# Altium PCB PCB.PcbDoc (part 3 of 4)
Units mil, origin at the board's own origin, x right, y up, seen from the top; angles counter-clockwise.
Board outline 3543.31 x 3543.31 mil, 6 copper layers (Component Side, Top GND, Dummy Layer, Fast Signals, Bottom GND, Solder Side), stack 58.819 mil thick; 209 components, 240 nets, 1195 pads, 663 vias.
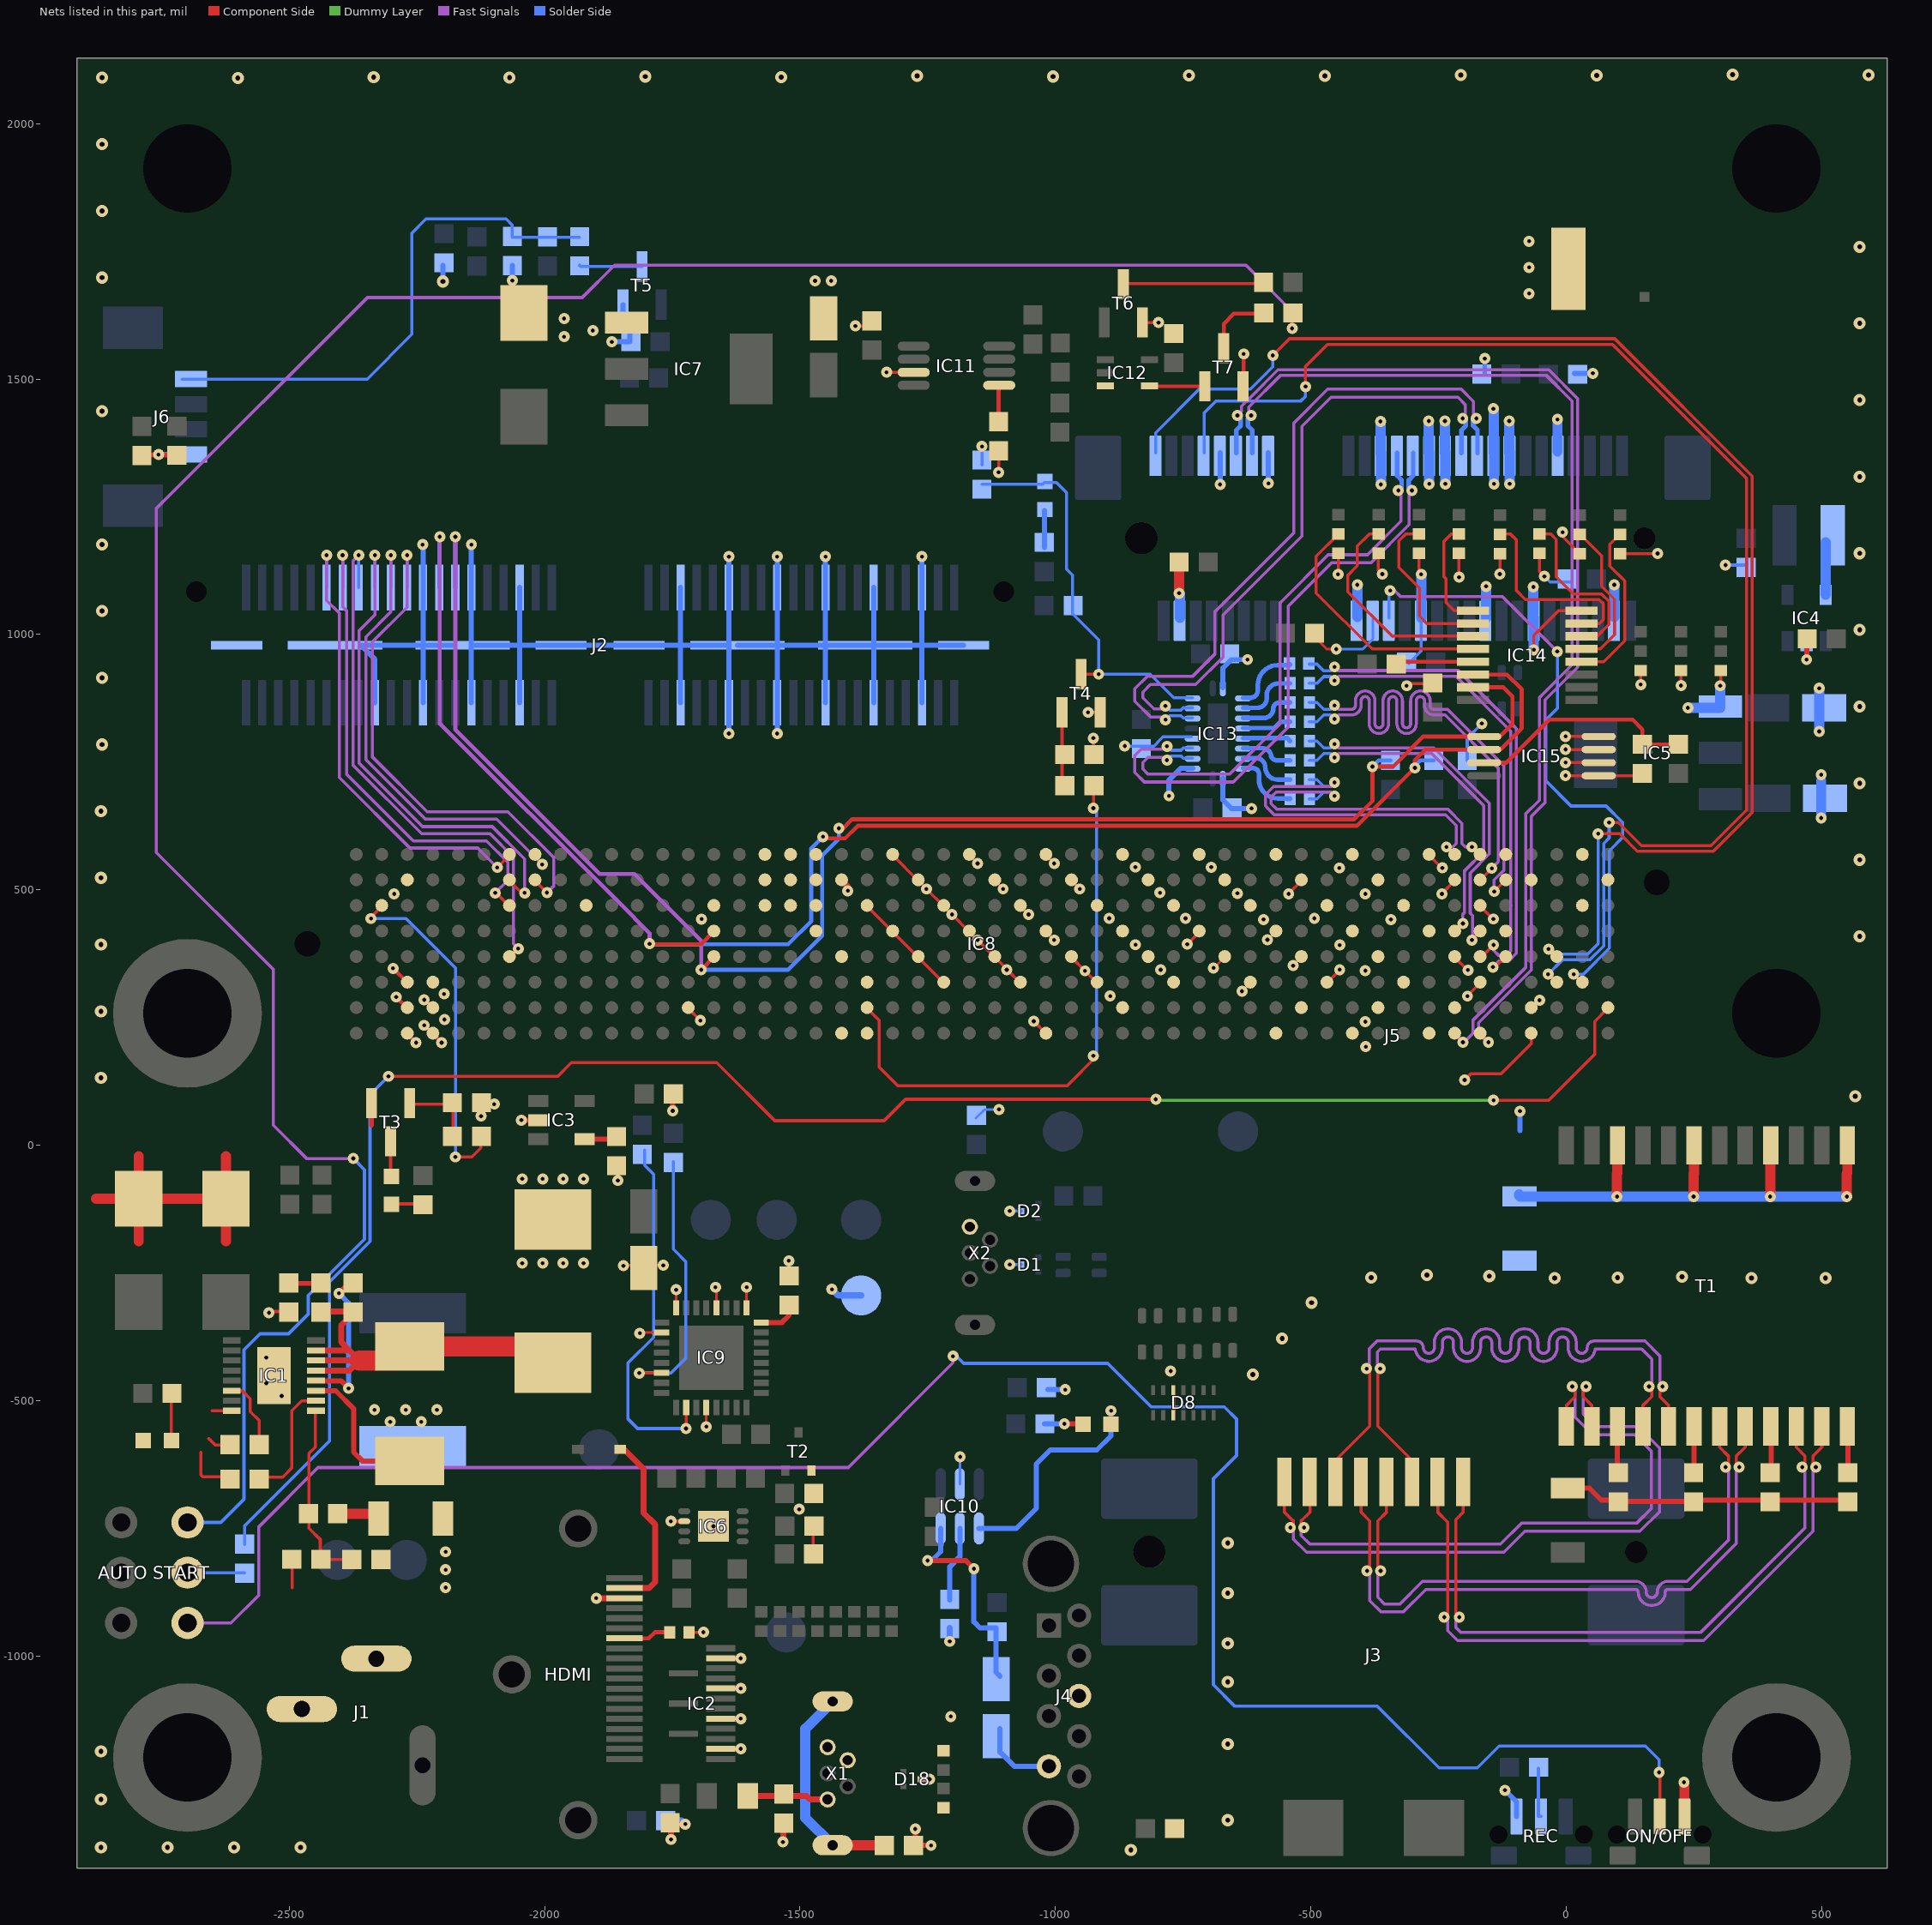
[diagram p7: the nets of this part, all layers, seen from the top]

## Via types
v1: diameter 21.65, hole 7.87, Component Side to Solder Side, tented both sides, 463 vias
v2: diameter 23.62, hole 9.84, Component Side to Solder Side, tented both sides, 102 vias
v3: diameter 21.65, hole 7.87, Component Side to Solder Side, 96 vias
v4: diameter 19.68, hole 7.87, Component Side to Solder Side, 1 vias
v5: diameter 23.62, hole 9.84, Component Side to Solder Side, 1 vias

## Nets (pads, with @x,y where several pads share a name; then routed paths per layer and width w, separated by ;. In a path a pad name is that pad's centre, name@x,y a point inside that pad or via, vN(x,y) a via of type N, cw(c..) or ccw(c..) an arc to the next point about the centre after c; other vN are vias at no path point) (continued)
GND: 5V.K C3.1 C4.2 C5.2 C6.1 C7.1 C8.2 C9.2 C10.2 C11.1 C12.1 C13.1 C14.2 C15.2 C16.1 C17.2 C18.2 C26.1 C27.1 C28.1 C29.1 C30.1 C31.1 C32.2 C33.2 C34.1 C35.2 C36.2 C37.2 C38.2 C39.2 C40.2 C41.1 C42.1 C43.1 C44.1 C45.1 C46.1 C47.1 C48.1 C51.2 C52.1 C61.1 D1.3 D2.3 D3.A D4.A D8.5 D8.10 D18.3 HDMI.17 IC1.16 IC1.GND IC2.2 IC2.5 IC2.8 IC2.11 IC3.2 IC4.2 IC5.1 IC6.2 IC6.9 IC7.1 IC8.A3 IC8.A4 IC8.A28 IC8.A37 IC8.A40 IC8.A43 IC8.B3 IC8.B4 IC8.B14 IC8.B31 IC8.B38 IC8.B41 IC8.B44 IC8.B47 IC8.C3 IC8.C4 IC8.C21 IC8.C24 IC8.C27 IC8.C30 IC8.C33 IC8.C36 IC8.C39 IC8.C42 IC8.C45 IC8.D20 IC8.D23 IC8.D26 IC8.D29 IC8.D32 IC8.D35 IC8.D38 IC8.D41 IC8.D44 IC8.E19 IC8.E22 IC8.E25 IC8.E28 IC8.E31 IC8.E34 IC8.E37 IC8.E40 IC8.E43 IC8.E46 IC8.F10 IC8.F15 IC8.F21 IC8.F24 IC8.F27 IC8.F30 IC8.F33 IC8.F36 IC8.F39 IC8.F42 IC8.F45 IC8.F49 IC8.G3 IC8.G17 IC8.G20 IC8.G23 IC8.G26 IC8.G29 IC8.G32 IC8.G35 IC8.G38 IC8.G41 IC8.G44 IC8.G47 IC8.G50 IC8.H19 IC8.H22 IC8.H25 IC8.H28 IC8.H31 IC8.H34 IC8.H37 IC8.H40 IC8.H43 IC8.H46 IC8.H49 IC9.4 IC9.17 IC9.20 IC9.24 IC9.26 IC10.2 IC11.3 IC12.3 IC13.2 IC13.5 IC13.11 IC13.20 IC14.8 IC15.1 IC15.2 IC15.3 IC15.4 J1.2 J1.3 J2.5 J2.6 J2.11 J2.12 J2.17 J2.18 J2.23 J2.24 J2.29 J2.30 J2.35 J2.36 J2.45 J2.46 J2.51 J2.52 J2.57 J2.58 J2.63 J2.81 J2.82 J2.83 J2.84 J2.85 J2.86 J2.87 J2.88 J4.4 J4.7 J5.4 J5.9 J5.15 J5.18 J5.21 J5.26 J5.27 J5.29 J5.34 J5.35 J5.37 J5.40 J5.43 J5.50 J6.1 L2.1 L4.1 L7.1 L12.1 ON/OFF.1 R7.1 R8.1 R12.1 R22.1 R23.1 R25.1 R27.1 R32.1 R36.1 R52.2 R53.2 R54.1 R58.2 R59.2 R60.1 R64.2 R65.2 R66.1 R69.2 R70.2 R72.1 REC.1 T2.2 T3.2 T4.2 T5.2 T6.2 T7.2 TP14.1 X1.4 X1.5 X2.5 | length 11912
  Component Side w5: v1(-1845.55,-235.84) -1844.55,-234.84 C9.2@-1805.55,-234.84 ; v1(-1813.55,-367.84) -1812.34,-366.63 IC9.26@-1770.99,-366.63 ; C9.2@-1805.55,-233.07 C9.2@-1805.55,-234.84 ; v1(-1767.55,-234.84) C9.2@-1805.55,-234.84 ; v1(-1742.55,-282.84) -1742.55,-318.3 IC9.24@-1742.45,-318.4 ; v1(-1683.55,-550.84) -1683.55,-513.44 IC9.4@-1683.39,-513.28 ; IC8.F15@-1668.66,467.91 IC8.F15@-1667.78,468.8 ; v1(-1665.55,-277.84) -1663.71,-279.69 IC9.20@-1663.71,-318.4 ; IC9.17@-1604.65,-318.4 -1604.65,-277.95 v1(-1604.55,-277.84) ; C16.1@-1521.41,-265.27 C16.1@-1521.41,-240.17 ; IC8.F21@-1369.54,468.8 IC8.F21@-1368.66,467.91 ; IC8.H22@-1319.54,568.8 IC8.H22@-1318.66,567.91 ; IC8.G23@-1268.66,517.91 v1(-1252.5,501.76) ; IC8.F24@-1218.66,467.91 v1(-1202.5,451.76) ; IC8.H25@-1169.54,568.8 v1(-1152.5,551.76) ; IC8.E25@-1168.66,417.91 v1(-1152.5,401.76) ; IC8.G26@-1119.54,518.8 v1(-1102.5,501.76) ; IC8.C27@-1069.54,318.8 IC8.C27@-1068.66,317.91 ; IC8.F27@-1069.54,468.8 v1(-1052.5,451.76) ; v1@-684.82,351.76 IC8.D35@-667.78,368.8 ; v1(-634.82,301.76) IC8.C36@-617.78,318.8 ; v1(-585.21,402.15) -569.06,418.31 IC8.E37@-568.17,419.19 ; IC8.A37@-568.66,217.91 IC8.A37@-567.78,218.8 ; v1(-534.82,351.76) IC8.D38@-517.78,368.8 ; IC8.B38@-518.66,267.91 IC8.B38@-517.78,268.8 ; IC8.F39@-469.54,468.8 IC8.F39@-468.66,467.91 ; IC8.A40@-419.54,218.8 IC8.A40@-418.66,217.91 ; IC8.H40@-419.54,568.8 IC8.H40@-418.66,567.91 ; IC8.G41@-368.66,517.91 IC8.G41@-367.78,518.8 ; IC8.C45@-168.66,317.91 IC8.C45@-167.78,318.8 ; IC8.E46@-118.66,417.91 IC8.E46@-117.78,417.03 ; IC8.B47@-69.54,267.03 IC8.B47@-68.66,267.91
  Component Side w5.91: IC8.H22@-1318.66,567.91 IC8.G23@-1268.66,517.91 ; v1(-1252.5,501.76) IC8.F24@-1218.66,467.91 ; v1(-1202.5,451.76) IC8.E25@-1168.66,417.91 ; v1(-1152.5,401.76) v1@-1094.42,343.68
  Component Side w6: -2672.99,-601.42 -2672.99,-645.12 -2669.06,-649.05 -2625.44,-649.05 C6.1@-2613.78,-660.71 ; -2657.69,-573.87 -2645.13,-586.44 -2625.66,-586.44 R7.1@-2614.51,-597.58 ; -2650.71,-519.69 IC1.16@-2612.22,-519.69 ; v1(-2539.55,-327.84) -2542.05,-325.34 C7.1@-2500.66,-325.34 ; -2494.04,-866.38 R8.1@-2494.04,-810.41 ; v1(-2124.21,57.09) -2124.21,80.71 v1(-2098.61,80.71) ; IC8.B14@-1718.86,268.11 v1(-1695.08,244.33) ; R25.1@-1717.32,-953.15 v3(-1688.98,-953.15) ; C27.1@-1474.6,-800 -1474.6,-740.89 -1474.55,-740.84 C26.1@-1474.55,-739.59 ; R22.1@-1474.19,-685.02 R22.1@-1474.19,-681.4 ; v1(-1391.53,1603.9) C41.1@-1359.24,1603.9 ; IC8.F21@-1368.66,467.91 IC8.C24@-1218.66,317.91 ; v1(-1330.7,1513.16) IC11.3@-1277.55,1513.16 ; v1(-1111.21,1317.29) C42.1@-1111.21,1360.66 ; v1@-1094.42,343.68 IC8.C27@-1069.54,318.8 ; v1(-1042.52,242.87) IC8.A28@-1018.74,219.09 ; IC8.E28@-1018.66,417.91 v1(-1002.5,401.76) ; IC8.H28@-1018.66,567.91 v1(-1002.5,551.76) ; IC8.D29@-968.66,367.91 v1(-942.28,341.54) IC8.C30@-918.66,317.91 ; IC8.G29@-968.66,517.91 v1(-952.5,501.76) ; v1(-936.18,847.47) T4.2@-912.38,847.47 ; R32.1@-925.78,764.87 v3(-925.78,797.04) ; T6.2@-829.72,1610.6 v1(-798.22,1610.6) ; v1(-742.09,393.7) IC8.E34@-718.31,417.48 ; v1(-543.54,491.95) -543.54,493.03 IC8.G38@-518.66,517.91 ; IC8.C39@-468.66,317.91 v1@-443.78,342.8 ; v3(-446.85,1117.71) -446.46,1118.11 R70.2@-446.46,1158.66 ; R65.2@-367.32,1158.66 -368.5,1157.48 -368.5,1126.38 v3(-360.24,1118.11) ; v3(-312.67,899.56) -308.29,903.94 -260.63,903.94 C28.1@-255.12,909.45 ; R59.2@-288.58,1158.66 -288.58,1122.24 v1(-284.06,1117.72) ; IC8.H43@-268.66,567.91 v1@-243.78,543.03 ; v1@-243.54,493.03 IC8.G44@-218.66,517.91 ; IC8.D44@-218.66,367.91 v1@-193.78,343.03 ; R53.2@-210.24,1158.66 -210.24,1112.42 v3(-209.93,1112.11) ; v1@-193.54,293.03 IC8.C45@-168.66,317.91 ; IC8.F45@-168.66,467.91 v1@-143.78,443.03 ; v3(-130.31,1118.11) v3@-130.21,1118.21 ; v3@-129.92,1118.5 R69.2@-129.92,1158.27 ; IC8.B47@-68.66,267.91 v1(-52.5,284.07) ; v1(-63.78,969.88) -63.78,998.03 -15.26,1046.56 IC14.8@29.92,1046.56 ; -52.45,1123.32 v3(-42.91,1113.78) ; -52.36,1123.41 R64.2@-52.36,1158.66 ; v3(-7.53,1200.12) -7.53,1191.78 R58.2@25.98,1158.27 ; v3(-1.57,723.62) -1.38,723.43 IC15.1@63.39,723.43 144.48,723.43 R72.1@148.82,727.76 ; v3(-1.57,749.21) -1.38,749.02 IC15.2@63.39,749.02 ; v3(-1.57,774.8) -1.38,774.61 IC15.3@63.39,774.61 ; v3(-1.57,800.39) -1.38,800.2 IC15.4@63.39,800.2 ; R52.2@104.72,1158.27 178.35,1158.27 v3(178.54,1158.46) ; v3(145.67,901.97) R66.1@145.67,929.41 ; v3(224.41,900) R60.1@224.41,929.41 ; v1@302.16,900.79 R54.1@302.16,929.41
  Component Side w7.87: v1(-2296.55,346.31) IC8.C3@-2268.66,318.42 ; v1(-2290.55,290.31) IC8.B3@-2268.66,268.42 ; IC8.B3@-2268.66,267.91 IC8.B3@-2267.58,267.91 ; IC8.C3@-2268.66,317.91 IC8.C3@-2267.58,317.91 ; IC8.A3@-2267.58,217.91 -2268.66,217.91 v1(-2251.62,200.87) ; v1(-2235.7,234.95) IC8.A4@-2218.66,217.91 ; v1(-2235.7,284.95) -2218.66,267.91 IC8.B4@-2219.74,267.91 ; IC8.A4@-2219.74,217.91 IC8.A4@-2218.66,217.91 ; IC8.C4@-2218.66,318.11 IC8.C4@-2218.66,318.42 ; IC8.A4@-2217.58,217.91 IC8.A4@-2218.66,217.91 ; v1(-2201.62,200.87) IC8.A4@-2218.66,217.91 ; v3(-1752.71,-736) IC6.2@-1726.64,-736 ; IC2.2@-1655.13,-1181.43 v3(-1615.97,-1181.43) ; IC2.5@-1655.13,-1122.37 v3(-1615.97,-1122.37) ; IC2.8@-1655.13,-1063.32 v3(-1615.97,-1063.32) ; IC2.11@-1655.13,-1004.26 v3(-1615.97,-1004.26) ; D8.10@-769.24,-528.45 D8.5@-769.24,-479.24 ; T7.2@-633.15,1485.76 -631.55,1487.35 v1(-631.55,1549.16)
  Component Side w10: C52.1@-2788.13,1351.15 -2756.58,1351.15 v1(-2755.65,1352.08) ; v1@-2754.73,1351.15 C43.1@-2721.21,1351.15 ; -2338.78,39.37 T3.2@-2338.78,82.68 ; IC8.A3@-2268.66,217.91 IC8.A3@-2268.66,219.49 IC8.A3@-2268.66,223.43 ; v1(-2045.47,49.21) IC3.2@-2012.01,49.21 ; v1(-1856.5,-68.9) C11.1@-1856.5,-41.34 ; v1(-1749.33,67.43) C10.2@-1749.33,92.9 ; v1(-1274.36,-1338.45) -1274.36,-1370.54 v1(-1243.45,-1370.54) ; IC8.E37@-569.06,418.31 IC8.E37@-568.66,417.91 ; v1(470.28,950.79) C12.1@470.28,998.03
  Component Side w11.81: v3@-1892.94,-886.46 HDMI.17@-1843.54,-886.46 ; v3(-1752.55,-1358.84) -1752.55,-1328.84 v3(-1724.55,-1328.84) ; v3@-1532.55,-1358.84 C32.2@-1532.55,-1328.84 ; IC8.G20@-1418.66,519.49 -1406.55,507.38 v1(-1406.55,498.16) ; D18.3@-1263.82,-1240.84 v3(-1246.55,-1240.84)
  Component Side w19.68: -2877.95,-104.66 C5.2@-2794.55,-104.66 ; -2794.55,-188.06 C5.2@-2794.55,-104.66 ; -2794.55,-21.26 C5.2@-2794.55,-104.66 ; -2711.15,-104.66 C5.2@-2794.55,-104.66 ; -2706.95,-104.66 C4.2@-2623.55,-104.66 ; -2623.55,-188.06 C4.2@-2623.55,-104.66 ; -2623.55,-21.26 C4.2@-2623.55,-104.66
  Component Side w20: v1(-757.95,1080.71) C37.2@-757.95,1143.7 ; ON/OFF.1@231.1,-1298.03 v1@231.1,-1247.83
  Dummy Layer w6: v3@-446.85,1116.93 v3(-446.85,1117.71) ; v3@-365.36,1118.11 v3(-360.24,1118.11) ; v3@-318.22,905.12 v3(-312.67,899.56) ; v3(-130.31,1118.11) v3@-129.53,1118.9 ; v3@-7.6,1200.12 v3(-7.53,1200.12) ; v3@-2.36,721.65 -2.36,722.83 v3(-1.57,723.62) ; v3@-2.36,747.24 -2.36,748.42 v3(-1.57,749.21) ; v3@-2.36,772.83 -2.36,774.01 v3(-1.57,774.8) ; v3@-2.36,798.43 -2.36,799.6 v3(-1.57,800.39)
  Dummy Layer w11.81: v3(-1752.55,-1358.84) v3@-1751.55,-1359.84
  Solder Side w5: IC10.2@-1187.2,-663.39 -1187.2,-610.5 v1(-1186.55,-609.84) ; L12.1@-1155.71,53.15 -1138.7,70.16 v1(-1110.55,70.16)
  Solder Side w6: R12.1@-1143.9,1331.89 v1(-1143.9,1368.11) ; v3(-1089.62,-128.77) D2.3@-1066.82,-128.77 ; v3(-1089.37,-233.42) D1.3@-1066.82,-233.42 ; v1(-864.37,781.5) -836.81,781.5 -807.16,781.5 -800.44,788.21 -800.44,788.77 -789.46,799.75 IC13.5@-734,799.75 ; C14.2@-308.54,942.91 -284.06,967.4 J5.26@-284.06,1032.48 ; C61.1@-194.1,753.74 -194.09,796.85 v3(-165.35,825.59) ; v3(-42.91,1113.78) -31.89,1102.76 C36.2@7.4,1102.76 ; v3(311.42,1135.83) C13.1@352.17,1135.83
  Solder Side w7.87: C39.2@-159.55,1509.87 v1(-159.55,1540.16)
  Solder Side w10: v1(-2755.65,1352.08) J6.1@-2709.39,1352.08 ; J2.63@-2332.24,866.3 -2332.24,951.34 -2359.76,978.85 J2.86@-2237.76,978.85 ; v1(-2238.78,1175.87) -2237.76,1174.85 J2.58@-2237.76,1091.89 J2.86@-2237.76,978.85 ; J2.57@-2237.76,866.3 J2.86@-2237.76,978.85 ; v5(-2199.02,1690.94) C45.1@-2199.02,1722.44 ; J2.86@-2181.78,978.85 J2.86@-2237.76,978.85 ; J2.51@-2143.27,866.3 J2.86@-2143.27,978.85 ; v1(-2143.27,1175.87) J2.52@-2143.27,1091.89 J2.86@-2143.27,978.85 ; v1(-2063.19,1692.91) C44.1@-2063.19,1722.44 ; J2.45@-2048.78,866.3 -2048.78,978.85 ; J2.46@-2048.78,1091.89 -2048.78,978.85 ; v1(-1868.31,1572.83) -1832.87,1572.83 -1832.87,1600.39 -1846.65,1614.17 T5.2@-1846.65,1645.67 ; J2.84@-1814.82,978.83 J2.85@-1967.75,978.84 -2048.78,978.85 ; J2.84@-1814.82,978.83 -1733.7,978.83 ; J2.35@-1733.7,866.3 -1733.7,978.83 ; J2.36@-1733.7,1091.89 -1733.7,978.83 ; v1(-1639.21,805.83) J2.29@-1639.21,866.3 J2.83@-1639.21,978.83 ; v1(-1639.21,1152.35) J2.30@-1639.21,1091.89 J2.83@-1639.21,978.83 ; J2.83@-1622.29,978.83 J2.83@-1544.72,978.83 ; v1(-1544.72,805.83) J2.23@-1544.72,866.3 J2.83@-1544.72,978.83 ; v1(-1544.72,1152.35) J2.24@-1544.72,1091.89 J2.83@-1544.72,978.83 ; J2.17@-1450.24,866.3 J2.82@-1450.24,978.83 ; v1(-1450.24,1152.35) J2.18@-1450.24,1091.89 J2.82@-1450.24,978.83 ; J2.11@-1355.75,866.3 J2.82@-1355.75,978.83 ; J2.12@-1355.75,1091.89 J2.82@-1355.75,978.83 ; J2.5@-1261.26,866.3 -1261.26,978.83 ; v1(-1261.26,1152.35) J2.6@-1261.26,1091.89 -1261.26,978.83 ; v1@-1206.89,-1116.14 v1(-1204.92,-1118.11) ; J2.81@-1179.9,978.83 -1261.26,978.83 ; C33.2@-1108.46,-1141.54 -1108.46,-1187.8 -1080.67,-1215.59 J4.4@-1012.83,-1215.59 ; C34.1@-1014.85,-478.35 v1(-980.78,-478.35) ; v1(-777.78,683.87) -777.78,714.87 -754.46,738.19 IC13.2@-731.5,738.19 ; v1(-677.76,1293.7) J5.9@-677.76,1355.31 ; IC13.20@-672.44,718.5 -672.44,676.18 -655.71,659.45 v1(-616.34,659.45) ; IC13.11@-672.44,895.67 -672.44,934.06 -655.71,950.79 v1(-624.21,950.79) ; v1(-583.27,1295.87) J5.15@-583.27,1355.31 ; v1(-120.28,-1262.6) -97.64,-1285.24 REC.1@-97.64,-1313.78 ; -90.75,28.54 v1(-90.75,66.93) ; C38.2@15.45,1511.16 20.45,1511.16 v1@50.45,1511.16 ; v1(470.28,950.79) IC4.2@470.28,987.2 ; J2.86@-2143.27,978.85 -2048.78,978.85 ; -1733.7,978.83 J2.83@-1639.21,978.83 ; J2.83@-1544.72,978.83 J2.82@-1450.24,978.83 ; J2.82@-1450.24,978.83 J2.82@-1372.49,978.83 J2.82@-1355.75,978.83 ; J2.82@-1355.75,978.83 -1261.26,978.83
  Solder Side w11.81: L2.1@-1756.46,-1321.84 -1731.55,-1321.84 v3(-1724.55,-1328.84) ; v1(-1437.55,-281.84) -1425.55,-293.84 TP14.1@-1380.55,-293.84 TP14.1@-1379.55,-293.84 ; v3(-1206.89,-971.18) R27.1@-1206.89,-944.84
  Solder Side w20: v1(-757.95,1080.71) -756.5,1079.25 J5.4@-756.5,1032.48 ; J5.18@-409.06,1034.45 v1(-409.06,1097.05) ; J5.21@-363.78,1354.33 v1(-363.78,1416.93) ; v1(-362.99,1293.7) J5.21@-362.99,1356.3 ; J5.26@-284.06,1032.48 v1(-284.06,1117.72) ; J5.27@-269.29,1355.31 v1(-269.29,1417.91) ; v1(-268.5,1294.68) J5.27@-268.5,1357.28 ; J5.29@-237.8,1355.31 v1(-237.8,1417.91) ; v1(-237.01,1294.68) J5.29@-237.01,1357.28 ; J5.34@-157.09,1031.5 v1(-157.09,1094.09) ; v1(-142.78,1441.87) -142.32,1441.42 J5.35@-142.32,1355.31 ; v1(-141.54,1294.68) J5.35@-141.54,1357.28 ; J5.37@-111.81,1355.31 v1(-111.81,1417.91) ; v1(-111.02,1294.68) J5.37@-111.02,1357.28 ; J5.40@-64.57,1030.51 v1(-64.57,1093.11) ; v1(-63.78,969.88) J5.40@-63.78,1032.48 ; J5.43@-17.32,1358.27 v1(-17.32,1420.87) ; J5.50@93.9,1034.45 v1(93.9,1097.05) ; v1(237.99,856.3) 300.98,856.3 v1(300.98,899.61) ; v1@494.88,817.91 494.88,856.3 v1(494.88,894.68) ; v1(498.82,640.75) 498.82,679.13 498.82,713.58
  other v1: 230.12,-1246.85 -2193.78,-865.71 -2193.78,-830.71 -2193.78,-795.71 -774.55,-441.84 -2043.78,-230.71 -2003.78,-230.71 -1963.78,-230.71 -1923.78,-230.71 -1522.05,-225.98 -2043.78,-65.71 -2003.78,-65.71 -1963.78,-65.71 -1923.78,-65.71 -392.7,193.03 -393.54,241.95 -2195.83,246.06 -892.91,292.09 -193.54,291.95 -2196.81,296.26 -393.54,341.95 -192.7,343.03 -1095.5,343.68 -794.25,343.5 -443.78,343.87 -690.55,347.16 -443.54,391.95 -843.46,392.72 -592.72,441.97 -343.54,441.95 -1692.66,442.83 -142.7,443.03 -894.88,444.13 -745.28,444.13 -493.23,444.29 -2294.49,492.09 -393.54,491.95 -243.54,491.95 -643.9,493.15 -795.47,494.33 -444.42,542.83 -242.7,543.03 -695.08,544.33 -843.7,544.53 498.82,725.39 494.88,810.04 51.87,1511.16 -1961.73,1582.83 -1905.51,1594.95 -1961.73,1618.27 -73.03,1667.32 -1470.39,1692.28 -1438.9,1692.28 -73.03,1718.5 -73.03,1769.68
  other v2: -852.45,-1379.21 -2868.33,-1374.21 -2738.15,-1374.21 -2607.96,-1374.21 -2477.78,-1374.21 -662.78,-1321.11 -2868.33,-1280.41 -2868.33,-1186.61 -662.78,-1172.21 -662.78,-1050.21 -662.78,-975.21 -662.78,-876.71 -662.78,-778.21 -613.78,-448.43 -556.28,-378.28 -498.78,-308.13 -22.78,-260.13 362.22,-260.13 507.22,-260.13 -381.78,-259.13 100.22,-259.13 226.22,-257.13 -150.78,-256.13 -272.78,-254.13 565.22,95.87 -2868.33,131.87 -2868.33,262.43 -2868.33,392.98 574.22,408.87 -2868.33,523.53 574.22,558.87 -2868.33,654.08 574.22,708.87 -2866.51,784.63 574.22,858.87 -2866.51,915.19 574.22,1008.87 -2866.51,1045.74 574.22,1158.87 -2866.51,1176.29 574.22,1308.87 -2866.51,1437.39 574.22,1458.87 574.22,1608.87 -2866.51,1698.5 574.22,1758.87 -2866.51,1829.05 -2866.51,1959.6 -2600.53,2089.16 -2866.51,2090.16 -2068.57,2090.16 -2334.55,2091.16 -1536.61,2091.16 -1802.59,2092.16 -1004.66,2092.16 -1270.63,2093.16 -472.7,2093.16 -738.68,2094.16 59.26,2094.16 -206.72,2095.16 591.22,2095.17 325.24,2096.16
  other v3: -1533.45,-1363.74 -1898.79,-886.46 -1501.65,-712.48 -2514.72,-490.79 -2544.72,-465.79 -2514.72,-440.79 -2544.72,-415.79
  other v4: -1669.55,-745.84
GPIO0_CAM0_PWR: IC8.G8 J2.60 | length 1030.1
  Component Side w6: IC8.G8@-2018.66,517.91 v1(-1995.28,494.53)
  Fast Signals w6: v1(-2269.25,1155.16) -2269.25,1053.4 -2336.78,985.87 -2336.78,759.87 -2229.78,652.87 -2071.78,652.87 -1981.78,562.87 -1981.78,508.02 v1(-1995.28,494.53)
  Solder Side w6: J2.60@-2269.25,1091.89 v1(-2269.25,1155.16)
GPIO1_CAM1_PWR: IC8.F7 J2.68 | length 991
  Component Side w6: v1(-2096.65,494.09) -2094.84,494.09 IC8.F7@-2068.66,467.91
  Fast Signals w6: v1(-2395.24,1155.16) -2395.24,1054.17 -2387.78,1046.71 -2387.78,726.87 -2256.78,595.87 -2113.78,595.87 -2072.05,554.14 -2072.05,518.7 v1(-2096.65,494.09)
  Solder Side w6: J2.68@-2395.24,1091.89 v1(-2395.24,1155.16)
GPIO2_CAM0_RST: IC8.H8 J2.62 | length 938.1
  Component Side w5: IC8.H8@-2021.66,566.76 v1(-2004.62,549.72)
  Fast Signals w6: v1(-2300.75,1155.16) -2300.75,1044.27 -2349.78,995.24 -2349.78,754.87 -2233.51,638.61 -2093.51,638.61 v1(-2004.62,549.72)
  Solder Side w6: J2.62@-2300.75,1091.89 v1(-2300.75,1155.16)
GPIO3_CAM1_RST: IC8.H7 J2.70 | length 924.9
  Component Side w6: v1(-2092.72,543.86) IC8.H7@-2068.66,567.91
  Fast Signals w6: v1(-2426.73,1155.16) -2426.73,1066.83 -2401.78,1041.87 -2401.78,719.87 -2263.78,581.87 -2130.73,581.87 v1(-2092.72,543.86)
  Solder Side w6: J2.70@-2426.73,1091.89 v1(-2426.73,1155.16)
GPIO4_CAM_STROBE: IC8.G7 J2.64 | length 998.9
  Component Side w6: IC8.G7@-2068.66,517.91 v1@-2038.94,488.19
  Fast Signals w6: v1(-2332.24,1155.16) -2332.24,1038.41 -2362.78,1007.87 -2362.78,747.87 -2238.78,623.87 -2102.41,623.87 -2038.94,560.4 v1(-2038.94,494.09) v1@-2038.94,488.19
  Solder Side w6: J2.64@-2332.24,1091.89 v1(-2332.24,1155.16)
GPIO5_CAM_FLASH_EN: IC8.D7 J2.66 | length 1074.5
  Component Side w5: IC8.D7@-2068.66,367.91 v1(-2051.62,384.95)
  Fast Signals w6: v1(-2363.74,1155.16) -2374.78,1144.12 -2374.78,743.87 -2240.78,609.87 -2106.78,609.87 -2060.78,563.87 -2060.78,394.11 v1(-2051.62,384.95)
  Solder Side w6: J2.66@-2363.74,1091.89 v1(-2363.74,1155.16)
GPIO19: IC8.F2 R44.1 | length 688.3
  Component Side w6: v1(-2339.78,443.87) -2339.78,446.8 IC8.F2@-2318.66,467.91 ; v1(-2174.55,-22.84) -2142.24,-22.84 -2124.51,-5.11 R44.1@-2124.51,17.42 ; R44.1@-2124.21,17.42 R44.1@-2124.21,17.72
  Solder Side w6: v1(-2339.78,443.87) -2271.27,443.87 -2174.55,347.16 v1(-2174.55,-22.84)
I2C_GP0_SCL_1V8: IC8.E15 IC14.14 IC15.6 J2.56 R26.1 | length 3412.2
  Component Side w7.87: v1(-1794.65,394.51) -1793.67,393.53 -1693.54,393.53 -1668.66,418.41 IC8.E15@-1668.66,419.49 ; v3(-1455.12,603.94) -1451.97,600.79 -1411.81,600.79 -1387.2,625.39 -410.04,625.39 v3(-296.46,738.98) -296.46,754.33 -276.18,774.61 IC15.6@-161.02,774.61 -129.33,774.61 -87.4,816.54 -87.4,892.91 -116.04,921.56 IC14.14@-182.68,921.56
  Fast Signals w7.87: v3(-2205.12,1191.34) -2205.12,826.05 -1853.87,474.8 -1853.87,474.74 -1794.65,415.52 v1(-1794.65,394.51)
  Solder Side w7.87: J2.56@-2206.26,1091.89 v3@-2206.26,1192.91 ; v1(-1794.65,394.51) -1793.67,393.53 -1523.4,393.53 -1477.95,438.98 -1477.95,581.1 v3(-1455.12,603.94) ; v3(-296.46,738.98) -296.46,742.91 -286.03,753.34 R26.1@-259.45,753.34
I2C_GP0_SDA_1V8: IC8.D15 IC14.15 IC15.5 J2.54 R42.1 | length 3335.6
  Component Side w7.87: v1(-1693.54,343.53) -1668.66,368.41 IC8.D15@-1668.66,369.49 ; v3(-1424.02,620.47) -1419.69,616.14 -1397.64,638.19 -415.34,638.19 -379.53,674 v3(-379.53,741.34) -339.17,741.34 -280.32,800.2 IC15.5@-161.02,800.2 -130.12,800.2 -105.51,824.8 -105.51,878.74 -123.33,896.56 IC14.15@-182.68,896.56
  Fast Signals w7.87: v3(-2174.8,1191.34) -2174.8,813.83 -1892.17,531.19 -1824.5,531.19 -1693.54,400.24 v1(-1693.54,343.53)
  Solder Side w7.87: v3(-2174.8,1191.34) v3(-2174.8,1191.34) J2.54@-2174.76,1091.89 ; v1(-1693.54,343.53) -1523.8,343.53 -1456.89,410.43 -1456.89,567.11 -1424.02,599.98 v3(-1424.02,620.47) ; v3(-379.53,741.34) -367.52,753.34 R42.1@-344.1,753.34